# Altium PCB Hrafn.PcbDoc (part 4 of 5)
Units mm, origin at the board's own origin, x right, y up, seen from the top; angles counter-clockwise.
Board outline 85 x 94.73 mm, 8 copper layers (Top Layer, GND Top, Internal Top, PWR Top, PWR Bottom, Internal Bottom, GND Bottom, Bottom Layer), stack 1.525 mm thick; 391 components, 237 nets, 1268 pads, 1166 vias.
Unrouted connection lines stored in the file: 2.
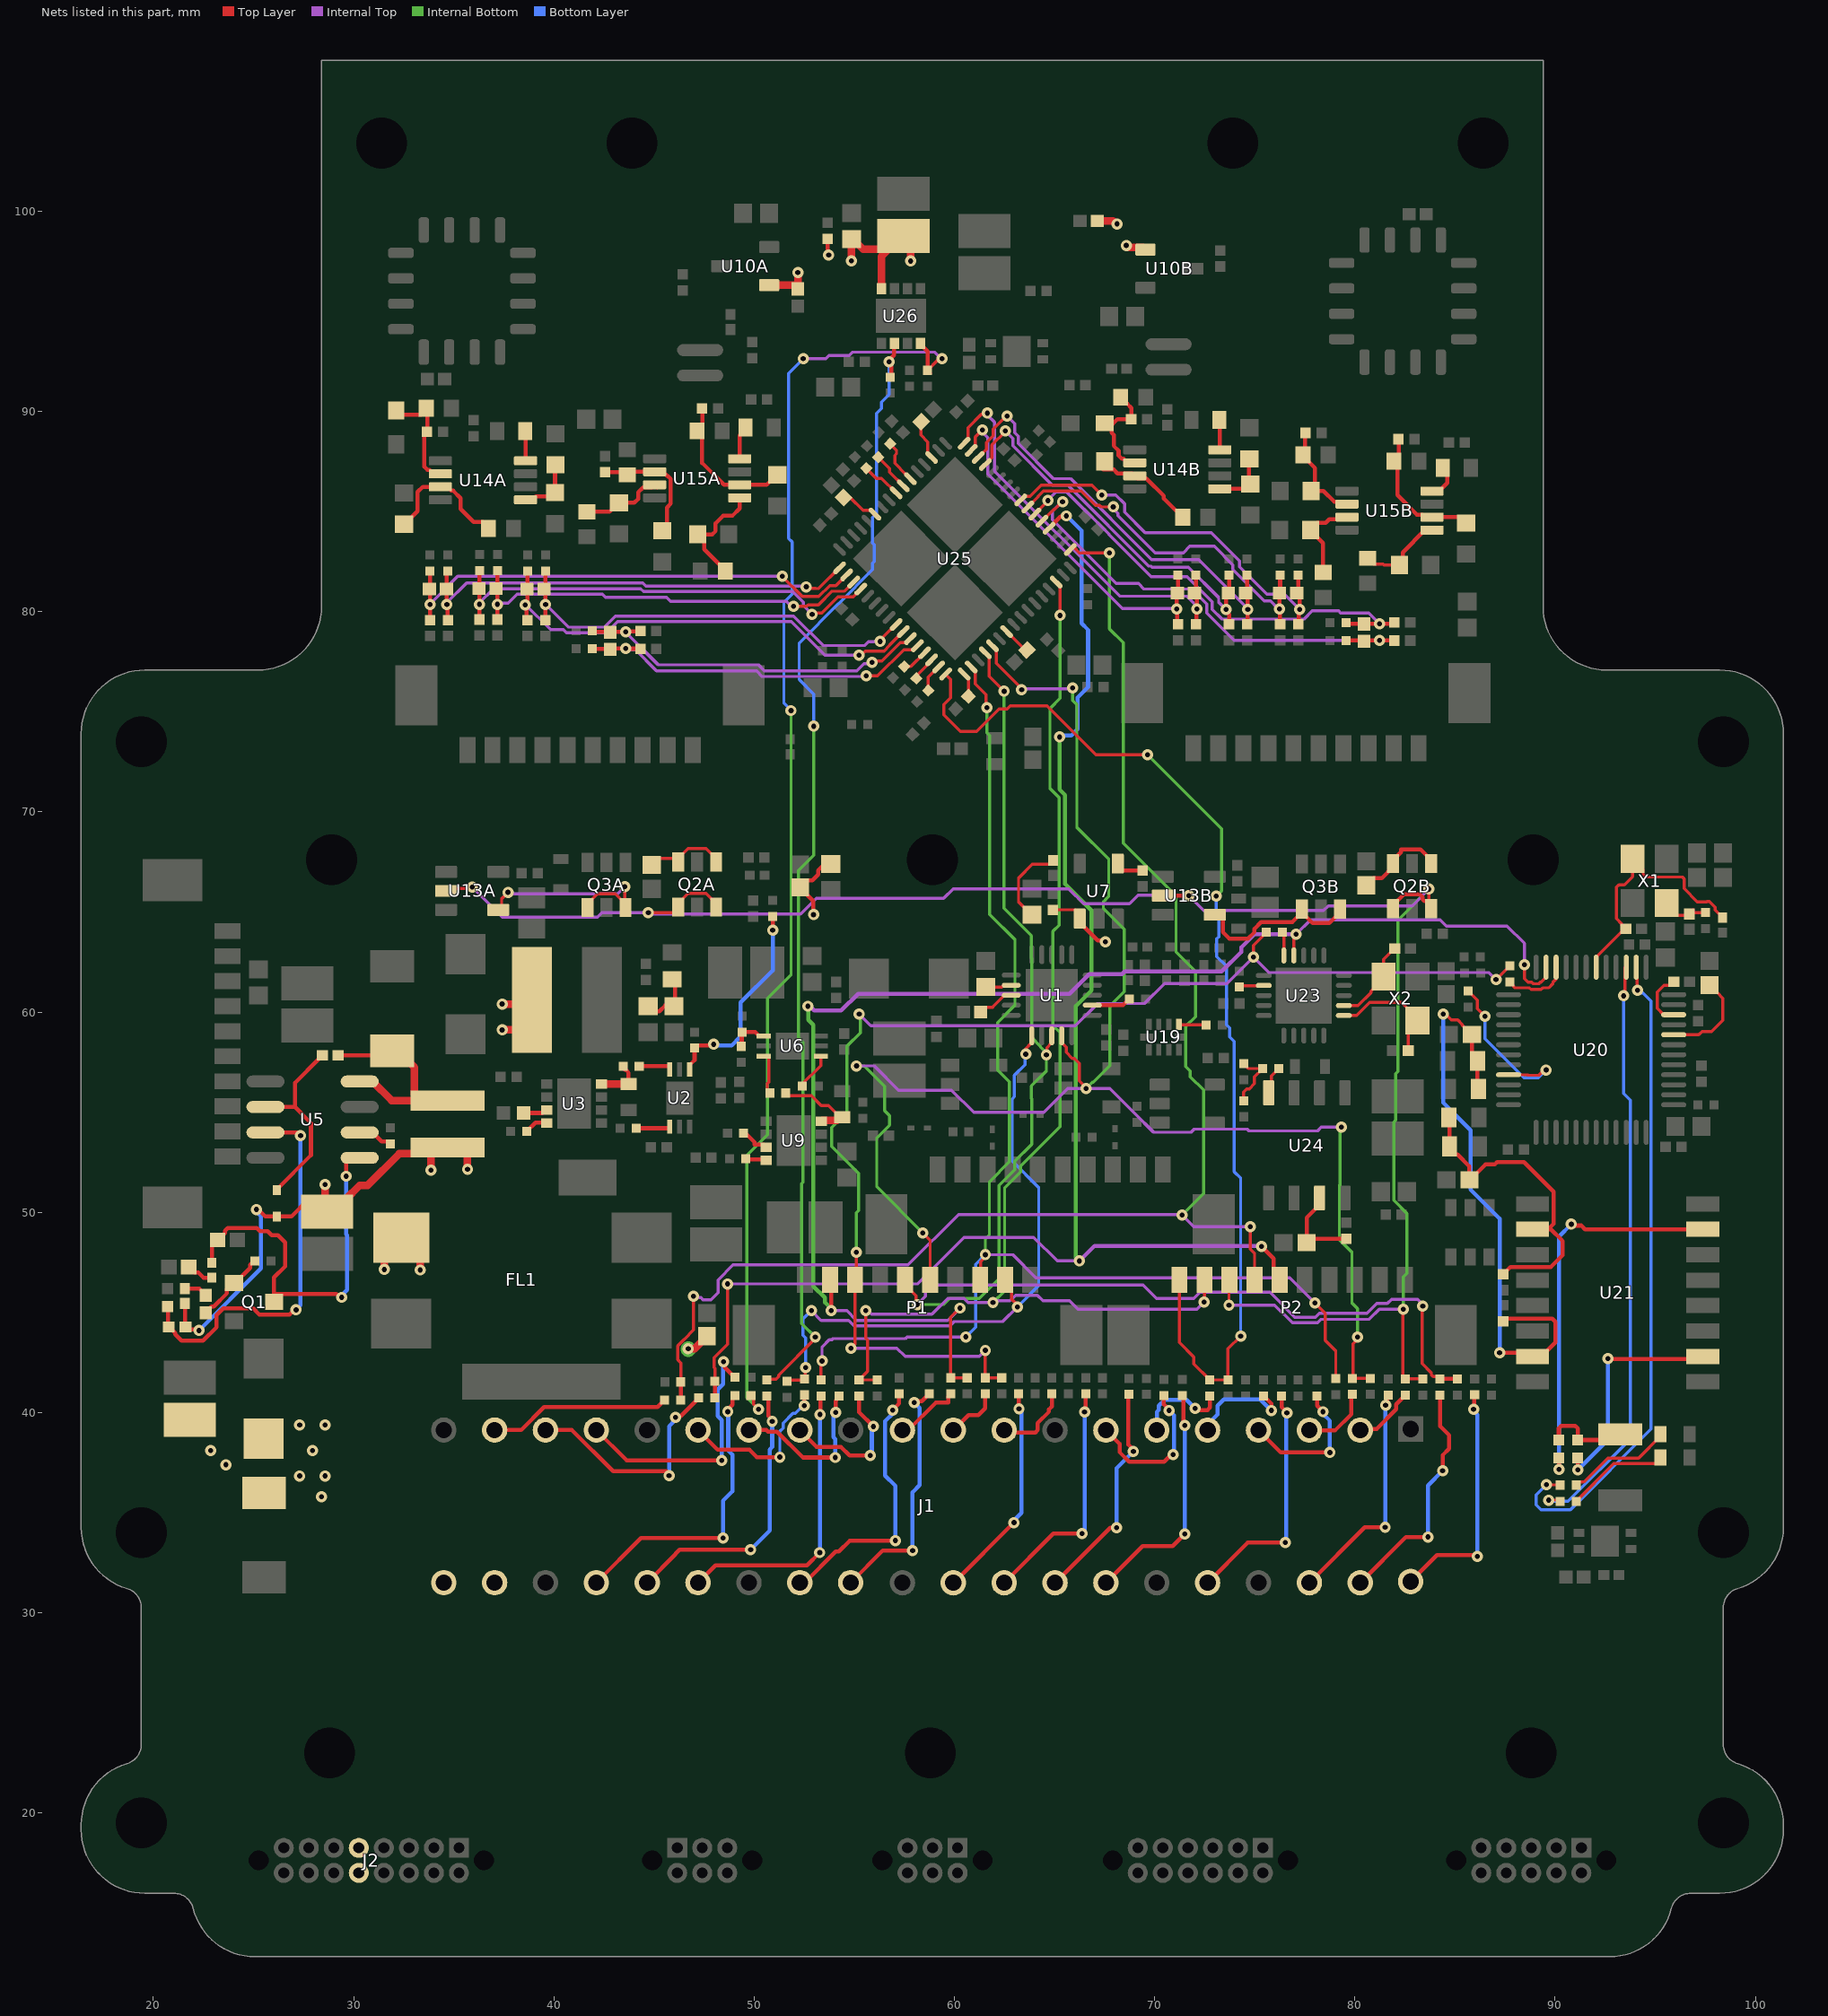
[diagram p10: the nets of this part, all layers, seen from the top]

## Via types
v1: diameter 0.559, hole 0.254, Top Layer to Bottom Layer, 1120 vias
v2: diameter 0.6, hole 0.25, Top Layer to Bottom Layer, 36 vias
v3: diameter 0.5, hole 0.2, Top Layer to Bottom Layer, 8 vias
v4: diameter 0.61, hole 0.254, Top Layer to Bottom Layer, 2 vias

## Nets (pads, with @x,y where several pads share a name; then routed paths per layer and width w, separated by ;. In a path a pad name is that pad's centre, name@x,y a point inside that pad or via, vN(x,y) a via of type N, cw(c..) or ccw(c..) an arc to the next point about the centre after c; other vN are vias at no path point) (continued)
HK_CSb: P1.9 R6.1 R38.1 U1.11 | length 32.1
  Top Layer w0.152: R38.1@51.65,41.55 51.713,41.613 52.449,41.613 52.545,41.709 52.545,42.283 v1@52.578,42.316 ; P1.9@62.537,46.627 62.861,46.303 62.861,45.66 63.15,45.371 v1(63.15,45.275) ; v1(63.562,57.897) 63.552,57.907 63.552,58.155 63.83,58.433 63.83,58.783 U1.11@63.862,58.815
  Internal Top w0.152: v1(52.86,45.085) 53.343,44.602 54.713,44.602 54.992,44.323 59.78,44.323 59.996,44.539 62.414,44.539 v1(63.15,45.275)
  Bottom Layer w0.152: v1@52.578,42.316 52.578,43.071 52.57,43.079 52.57,43.722 52.444,43.849 52.444,44.675 52.853,45.085 v1(52.86,45.085) ; v1(63.15,45.275) 64.211,46.336 64.211,51.228 62.89,52.549 62.89,55.673 62.993,55.776 62.993,56.841 63.52,57.368 63.52,57.855 v1(63.562,57.897)
  other v1: 52.578,42.24
MAG_5V: C44A.2 C44B.2 C95.2 C96.1 C97.2 U10A.1 U10B.1 U26.8 | length 12.4
  Top Layer w0.203: C95.2@53.67,98.616 53.67,97.866 v1(53.721,97.815)
  Top Layer w0.381: U10A.1@50.749,96.307 C44A.2@52.014,96.307 ; C44A.2@52.181,96.12 v1(52.181,96.936) ; v1(54.85,97.525) 54.861,97.536 54.861,98.502 55.061,98.502 55.095,98.468 55.095,98.444 55.429,98.11 56.794,98.11 C96.1@57.455,98.771 57.81,98.416 v1(57.81,97.511) ; U26.8@56.353,96.137 56.353,97.741 C96.1@56.639,98.027 ; C44B.2@67.13,99.517 67.925,99.517 68.075,99.367 v1(68.123,99.367) ; v1@68.631,98.29 68.731,98.189 69.43,98.189 U10B.1@69.539,98.08
  other v1: 68.581,98.291
MAG_ALERT: P2.1 R20.1 R39.2 U25.16 | length 54.6
  Top Layer w0.152: U25.16@59.566,76.882 59.566,76.858 59.804,76.62 59.804,75.694 59.467,75.358 59.467,74.848 60.3,74.016 61.112,74.016 62.23,75.133 62.64,75.133 62.792,75.286 64.621,75.286 67.059,72.847 v1(69.647,72.847) ; P2.1@71.237,46.627 71.237,43.492 71.958,42.77 71.958,42.426 R20.1@72.758,41.627 R39.2@73.658,41.627 73.658,43.178 v1(74.295,43.815)
  Internal Bottom w0.152: v1(69.647,72.847) 73.339,69.155 73.339,66.049 v1(73.076,65.786)
  Bottom Layer w0.152: v1(73.076,65.786) 73.076,64.78 73.203,64.653 73.203,63.757 73.101,63.656 73.101,62.772 73.584,62.289 73.584,59.363 73.736,59.211 73.736,58.754 73.964,58.525 73.964,52.023 74.295,51.692 v1(74.295,43.815)
MAG_CSb: P1.8 R7.2 R36.1 U25.18 | length 67.9
  Top Layer w0.152: R7.2@53.337,41.627 53.337,42.517 v1(53.391,42.57) ; U25.18@60.839,77.236 61.033,77.041 61.033,76.396 61.57,75.859 61.57,75.26 v1(61.62,75.209) ; P1.8@61.287,46.627 61.316,46.656 61.316,47.54 61.544,47.769 v1(61.544,47.879) ; v1(78.003,45.466) 78.525,44.945 78.525,43.598 79.045,43.078 R36.1@79.045,41.694
  Internal Top w0.152: v1(53.391,42.57) 53.391,43.282 53.746,43.637 53.895,43.637 53.946,43.688 57.556,43.688 57.633,43.764 60.554,43.764 v1(60.566,43.777) ; v1(61.544,47.879) 62.916,47.879 64.064,46.731 76.738,46.731 v1(78.003,45.466)
  Internal Bottom w0.152: v1(61.544,47.879) 61.544,48.678 61.747,48.881 61.747,51.529 62.738,52.519 62.738,56.512 62.154,57.096 62.154,59.471 63.023,60.34 63.023,63.611 61.753,64.882 61.753,73.809 61.62,73.941 v1(61.62,75.209)
  Bottom Layer w0.152: v1(60.566,43.777) 61.055,44.266 61.055,47.39 v1(61.544,47.879)
MAG_DRDYb: P2.2 R9.1 R40.1 U25.30 | length 61.7
  Top Layer w0.152: v1(55.575,45.085) 55.575,43.709 55.662,43.622 55.662,42.052 R9.1@55.237,41.627 R40.1@56.137,41.627 ; U25.30@65.081,81.478 65.276,81.284 v1(65.276,79.809) ; v1(72.466,45.517) 72.487,45.538 P2.2@72.487,46.627
  Internal Top w0.152: v1(55.575,45.085) 55.685,45.085 55.863,44.907 58.877,44.907 59.665,45.695 60.474,45.695 60.677,45.491 v1(61.925,45.491) ; v1@61.925,45.579 62.772,45.579 63.052,45.859 64.145,45.859 64.425,45.579 65.747,45.579 66.17,45.156 72.106,45.156 v1(72.466,45.517)
  Internal Bottom w0.152: v1(61.925,45.491) 62.509,46.076 62.509,51.228 63.297,52.016 63.297,52.299 65.27,54.272 65.27,58.978 64.921,59.327 64.921,64.033 65.227,64.339 65.227,70.71 64.77,71.167 64.77,75.166 65.276,75.671 v1(65.276,79.809)
MAG_ONb: R4.2 R127.2 U26.4 | length 64.8
  Top Layer w0.152: R4.2@49.837,40.852 49.969,40.72 49.969,40.398 v1(50.211,40.157) ; R127.2@58.661,92.052 59.164,92.556 59.307,92.556 v1(59.385,92.634)
  Top Layer w0.203: U26.4@58.303,93.397 58.303,93.352 58.661,92.994 R127.2@58.661,92.052
  Internal Top w0.152: v1(52.451,92.634) 53.574,92.634 53.727,92.786 54.74,92.786 54.915,92.961 58.994,92.961 59.322,92.634 v1(59.385,92.634)
  Internal Bottom w0.152: v1(50.211,40.157) 49.632,40.736 49.632,52.832 50.673,53.873 50.673,60.681 51.841,61.849 v1(51.841,75.057)
  Bottom Layer w0.152: v1(51.841,75.057) 51.841,75.064 51.486,75.42 51.486,80.464 51.892,80.87 51.892,83.482 51.714,83.66 51.714,91.897 v1(52.451,92.634)
MAG_PGOOD: R5.2 R126.1 U26.2 | length 56.9
  Top Layer w0.152: R5.2@50.637,41.627 50.674,41.664 51.095,41.664 51.222,41.79 51.222,41.859 53.053,43.69 v1(53.053,43.76)
  Top Layer w0.203: R126.1@56.794,91.713 56.861,91.779 56.861,92.264 56.742,92.383 56.742,92.575 56.98,92.813 56.98,93.375 U26.2@57.003,93.397
  Internal Bottom w0.152: v1(52.975,74.275) 52.975,67.84 52.204,67.069 52.204,58.728 52.444,58.488 52.444,51.501 52.377,51.435 52.377,44.447 53.053,43.772 v1(53.053,43.76)
  Bottom Layer w0.152: v1(52.975,74.275) 52.975,75.876 52.248,76.603 52.248,78.439 54.216,80.407 54.219,80.407 55.916,82.103 55.916,82.42 56.003,82.507 56.003,83.339 55.916,83.426 55.916,84.706 56.111,84.901 56.111,89.896 56.363,90.148 56.363,90.453 56.742,90.832 v1(56.742,92.479)
MAG_RESETb: P2.5 R2.1 R43.1 U25.36 | length 77.2
  Top Layer w0.152: R43.1@48.037,41.552 48.037,42.196 47.994,42.239 47.994,42.734 48.666,43.406 48.666,46.409 v1(48.677,46.42)
  Top Layer w0.203: R2.1@48.037,40.727 R43.1@48.037,41.552 ; U25.36@64.728,84.165 65.305,84.743 65.55,84.743 v1(65.589,84.781) ; v1(75.336,48.285) 75.939,47.683 75.939,46.925 P2.5@76.237,46.627
  Internal Top w0.152: v1(48.677,46.42) 58.155,46.42 60.477,48.743 63.957,48.743 65.133,47.567 v1(66.237,47.567)
  Internal Top w0.203: v1(66.237,47.567) 66.993,48.323 75.298,48.323 v1(75.336,48.285)
  Internal Bottom w0.203: v1(65.253,73.736) 65.253,71.116 65.532,70.837 65.532,66.393 66.851,65.074 66.851,61.079 66.067,60.295 66.067,47.737 v1(66.237,47.567)
  Bottom Layer w0.203: v1(65.253,73.736) 65.321,73.804 65.832,73.804 66.15,74.122 66.15,75.707 66.675,76.233 66.675,79.088 66.356,79.408 66.356,84.042 65.616,84.781 v1(65.589,84.781)
MAG_SR: P2.3 Q2A.1 Q2A.3 Q2B.1 Q2B.3 R26.1 R41.2 U13A.2 U13B.2 | length 98.2
  Top Layer w0.152: U13A.2@34.499,66.109 34.556,66.165 35.838,66.165 v1(35.916,66.243) ; v1(44.716,64.966) 46.096,64.966 46.201,65.071 46.201,65.421 46.704,65.925 47.598,65.925 48.101,65.421 Q2A.3@48.101,65.246 ; v1(73.711,45.364) 73.711,46.601 P2.3@73.737,46.627 ; v1(82.423,45.161) 82.398,45.136 82.398,41.802 R26.1@82.525,41.675 R41.2@83.388,41.675 ; v1(83.693,66.142) 83.693,65.281 Q2B.3@83.805,65.169
  Top Layer w0.203: U13B.2@70.429,65.812 v1(71.705,65.812) ; Q2B.1@81.905,65.169 81.905,65.344 82.433,65.873 83.249,65.873 83.383,65.739 83.383,65.625 83.466,65.542 83.606,65.542 83.805,65.344 Q2B.3@83.805,65.169
  Internal Top w0.152: v1(35.916,66.243) 37.414,64.745 42.171,64.745 42.392,64.966 v1(44.716,64.966) ; v1@44.729,64.897 52.315,64.897 53.1,65.683 59.461,65.683 59.936,66.158 65.71,66.158 66.46,65.407 68.739,65.407 69.168,65.837 71.68,65.837 72.45,65.067 78.432,65.067 78.668,65.303 82.855,65.303 v1(83.693,66.142) ; v1(73.711,45.364) 75.993,45.364 76.882,44.475 78.141,44.475 78.319,44.653 80.71,44.653 81.218,45.161 v1(82.423,45.161)
  Internal Bottom w0.152: v1(82.423,45.161) 82.423,46.766 82.601,46.944 82.601,49.94 81.94,50.6 81.94,54.499 82.042,54.601 82.042,56.925 82.144,57.026 82.144,64.592 v1(83.693,66.142)
MAG_STARTb: P2.4 R1.1 R42.1 U25.33 | length 76.6
  Top Layer w0.152: R42.1@46.337,41.527 46.337,42.475 46.177,42.635 46.177,43.329 46.511,43.663 46.518,43.663 46.972,44.116 v1(46.972,45.81) ; U25.33@65.788,83.105 65.897,83.213 65.961,83.213 66.243,82.931 v1(67.742,82.931) ; v1(74.778,49.284) 74.778,48.162 74.987,47.952 P2.4@74.987,46.627
  Top Layer w0.203: R1.1@46.327,40.627 46.332,40.632 R42.1@46.332,41.522
  Internal Top w0.152: v1(46.972,45.81) 47.05,45.732 47.344,45.732 47.441,45.635 47.841,45.635 48.195,45.988 48.195,46.62 48.946,47.371 57.683,47.371 60.203,49.89 71.374,49.89 v1(71.374,49.86) 71.95,49.284 v1(74.778,49.284)
  Internal Bottom w0.152: v1(67.742,82.931) 67.742,79.135 68.428,78.449 68.428,68.428 71.069,65.786 71.069,62.992 72.034,62.027 72.034,59.766 71.552,59.284 71.552,57.28 71.78,57.052 71.78,56.769 72.441,56.109 72.441,50.927 v1(71.374,49.86)
MISO0: P1.3 R13.1 R30.1 R103.1 R116.1 | length 63.7
  Top Layer w0.152: v1(54.839,43.205) 55.037,43.404 P1.3@55.037,46.627 55.099,46.689 v1(55.099,48.006) ; v1(61.544,43.104) 61.541,43.1 61.541,41.731 R13.1@61.537,41.727 R30.1@62.362,41.727 ; v1(74.93,62.738) 74.93,63.335 R116.1@75.578,63.983 ; v1(87.045,61.624) 87.045,61.715 87.147,61.715 R103.1@87.732,62.3
  Internal Top w0.152: v1(54.839,43.205) 57.129,43.205 57.535,42.799 61.239,42.799 v1(61.544,43.104) ; v1(55.245,59.893) 55.829,59.309 66.034,59.309 67.151,60.427 69.497,60.427 70.488,61.417 73.609,61.417 v1(74.93,62.738) 75.694,61.974 86.677,61.974 87.027,61.624 v1(87.045,61.624)
  Internal Bottom w0.152: v1(55.099,48.006) 55.099,49.969 55.22,50.09 55.22,51.943 53.876,53.287 53.876,54.231 54.628,54.983 54.628,58.298 55.296,58.966 55.296,59.842 v1(55.245,59.893)
MISO1: P1.6 R24.1 R33.1 U1.14 U25.21 | length 84.4
  Top Layer w0.152: v1(58.42,48.971) 58.787,48.604 P1.6@58.787,46.627 ; U25.21@61.899,78.296 62.094,78.102 62.094,77.429 63.357,76.165 v1(63.357,76.106) ; U1.14@65.362,58.815 65.394,58.783 65.394,58.433 65.583,58.244 65.583,57.996 65.89,57.688 65.984,57.688 66.241,57.432 66.241,56.559 66.575,56.224 v1(66.575,56.175) ; v1(80.137,43.764) 80.137,43.654 79.908,43.426 79.908,41.726 R24.1@79.883,41.7 R33.1@80.772,41.7
  Internal Top w0.152: v1(55.11,57.31) 55.99,57.31 57.204,56.096 59.858,56.096 60.963,54.991 64.476,54.991 65.66,56.175 v1(66.575,56.175) 67.755,56.175 68.985,54.945 68.995,54.945 69.946,53.994 71.811,53.994 71.969,54.153 74.622,54.153 74.712,54.062 78.13,54.062 78.322,54.254 v1(79.324,54.254) ; v1(63.357,76.106) 63.392,76.14 65.864,76.14 v1(65.906,76.182)
  Internal Bottom w0.152: v1(55.11,57.31) 55.127,57.294 55.507,57.294 56.515,56.286 56.515,55.071 56.762,54.824 56.762,54.352 56.124,53.714 56.124,51.267 v1(58.42,48.971) ; v1(65.906,76.182) 65.906,75.566 66.116,75.356 66.116,69.216 67.708,67.625 67.708,65.792 67.539,65.623 67.539,65.597 67.435,65.494 67.435,65.189 68.482,64.143 68.482,61.014 67.767,60.3 67.767,57.331 66.926,56.49 66.89,56.49 v1(66.575,56.175) ; v1(79.324,54.254) 79.248,54.178 79.248,51.364 79.223,51.338 79.223,48.634 79.85,48.006 79.85,45.477 80.137,45.19 v1(80.137,43.764)
MOSI0: P1.2 R12.1 R29.1 U20.35 U23.14 | length 71.7
  Top Layer w0.152: v1(60.274,45.212) 59.812,44.749 R12.1@59.812,41.727 R29.1@60.637,41.727 ; U23.14@76.947,62.827 76.947,63.764 v1(77.064,63.881) ; v1(88.463,62.357) 88.463,61.67 88.646,61.488 88.834,61.488 88.91,61.412 89.182,61.412 89.257,61.488 89.293,61.488 89.514,61.708 89.514,62.263 U20.35@89.527,62.277
  Top Layer w0.203: P1.2@53.787,46.627 53.848,46.566 v1(53.848,45.085)
  Internal Top w0.152: v1(53.848,45.085) 54.625,45.085 55.108,44.602 59.665,44.602 v1(60.274,45.212) ; v1(77.064,63.881) 77.789,64.607 84.26,64.607 84.573,64.294 87.599,64.294 88.463,63.429 v1(88.463,62.357)
  Internal Top w0.203: v1(52.687,60.292) 52.783,60.292 53.004,60.071 54.349,60.071 55.189,60.911 65.749,60.911 66.73,61.893 68.366,61.893 68.5,62.027 73.347,62.027 74.32,63 74.32,63.228 74.974,63.881 v1(77.064,63.881)
  Internal Bottom w0.203: v1(52.687,60.292) 52.713,60.266 52.713,59.606 52.959,59.36 52.959,46.304 53.528,45.735 53.528,45.501 53.848,45.181 v1(53.848,45.085)
MOSI1: P1.5 R27.2 R32.1 U1.13 U25.20 | length 73
  Top Layer w0.152: P1.5@57.537,46.627 57.537,46.377 58.076,45.838 58.076,45.454 v1(58.141,45.39) ; U25.20@61.546,77.943 61.74,77.748 61.74,76.766 v1(62.484,76.022) ; v1(64.592,57.861) 64.621,57.889 64.621,58.224 64.83,58.433 64.83,58.783 U1.13@64.862,58.815 ; v1(83.388,45.314) 83.363,45.288 83.363,42.438 83.816,41.984 83.816,41.887 83.906,41.797 84.129,41.797 R27.2@84.252,41.675
  Top Layer w0.203: R27.2@84.252,41.675 R32.1@85.115,41.675
  Internal Top w0.152: v1(58.141,45.39) 58.55,45.8 58.55,46.08 58.839,46.37 69.418,46.37 70.093,45.695 71.962,45.695 72.266,45.999 75.754,45.999 76.998,44.755 78.025,44.755 78.22,44.949 80.611,44.949 81.102,45.441 81.621,45.441 81.824,45.644 83.134,45.644 83.388,45.39 v1(83.388,45.314)
  Internal Bottom w0.152: v1(58.141,45.39) 59.448,45.39 59.752,45.695 61.239,45.695 62.23,46.685 62.23,51.344 63.017,52.132 63.017,52.553 63.856,53.391 63.856,55.673 63.849,55.68 63.849,56.305 64.592,57.048 v1(64.592,57.861) 64.592,57.97 64.299,58.264 64.299,58.285 63.859,58.725 63.859,62.688 63.846,62.701 63.846,63.811 62.474,65.184 62.474,76.012 v1(62.484,76.022)
NetC2_1: C2.1 D1.1 D2.1 FL1.1 J2.9 J2.10 | length 5.8
  Top Layer w0.381: D2.1@24.906,36.605 D2.1@25.525,35.985 D2.1@25.476,36.034 ; D1.1@25.186,38.375 D1.1@25.502,38.691 D1.1@25.476,38.665 ; FL1.1@31.475,47.98 31.525,47.93 v1@31.525,47.219 ; FL1.1@32.379,48.734 31.55,47.905 33.095,47.905 33.325,47.675 v1(33.325,47.117)
  other v1: 28.397,35.789 27.305,36.83 28.575,36.83 23.622,37.389 22.86,38.1 27.94,38.1 27.305,39.37 28.575,39.37 31.525,47.142
NetC7_2: C7.2 U1.7 | length 1.3
  Top Layer w0.152: C7.2@61.57,61.25 62.371,61.25 62.461,61.34 U1.7@62.837,61.34
NetC8_1: C8.1 U1.8 | length 1.9
  Top Layer w0.152: C8.1@61.314,59.995 61.548,60.229 61.912,60.229 61.912,60.264 62.487,60.84 U1.8@62.837,60.84
NetC16_1: C16.1 R64.2 | length 4.2
  Top Layer w0.152: C16.1@63.881,64.857 63.856,64.857 63.203,65.51 63.203,66.691 63.888,67.376 64.751,67.376 64.925,67.55 R64.2@64.925,67.575
NetC24_1: C24.1 D5.1 L1.0 U5.8 | length 11.8
  Top Layer w0.203: C24.1@29.219,57.836 31.696,57.836 D5.1@31.925,58.065 D5.1@31.217,58.773
  Top Layer w0.381: U5.8@30.3,56.53 30.95,56.53 31.898,55.582 L1.0@33.346,55.582 ; D5.1@31.925,58.065 32.205,58.065 33.037,57.233 33.037,55.891 L1.0@33.346,55.582 ; L1.0@34.696,55.582 L1.0@33.346,55.582
NetC24_2: C24.2 D4.1 U5.2 | length 9.8
  Top Layer w0.203: U5.2@25.6,55.26 27.065,55.26 ; D4.1@26.162,51.144 27.868,52.85 27.868,54.457 27.065,55.26 ; C24.2@28.439,57.836 28.419,57.836 28.261,57.677 28.261,57.657 27.065,56.462 27.065,55.26
NetC25_1: C25.1 D4.2 L1.1 L2.1 R70.2 R78.1 | length 29.4
  Top Layer w0.203: R78.1@21.57,45.442 21.592,45.42 21.592,44.29 21.73,44.152 22.216,44.152 v1(22.275,44.094) ; v1(25.146,50.14) 25.242,50.14 25.597,49.784 26.889,49.784 27.751,50.646 C25.1@28.027,50.646
  Top Layer w0.381: C25.1@28.027,50.646 28.652,50.022 C25.1@28.677,50.022 ; v1(28.575,51.384) 28.575,50.123 C25.1@28.677,50.022 ; L1.1@33.803,52.925 32.275,52.925 30.7,51.35 30.306,51.35 29.602,50.646 28.931,50.646 28.931,50.276 C25.1@28.677,50.022 ; v1(33.858,52.095) 33.858,52.922 34.168,53.232 L1.1@34.696,53.232 35.378,53.232 35.687,52.922 v1(35.687,52.146) ; v1(37.414,59.106) 38.091,59.106 38.9,59.915 L2.1@38.9,60.605 38.696,60.401 v1(37.414,60.401)
  Bottom Layer w0.203: v1(22.275,44.094) 25.375,47.194 25.375,49.815 25.146,50.043 v1(25.146,50.14)
NetC26_2: C26.2 C27.2 FB3.2 U7.1 | length 7.3
  Top Layer w0.152: C27.2@64.925,65.11 66.013,65.11 66.258,64.865 U7.1@66.258,64.665
  Top Layer w0.203: v1(52.965,64.865) 52.949,64.882 52.949,65.551 52.3,66.2 52.3,66.248 52.628,66.575 52.9,66.575 53.2,66.875 53.2,67.078 53.623,67.501 C26.2@53.823,67.501 ; U7.1@66.258,64.665 66.258,64.465 67.155,63.568 67.471,63.568 v1(67.539,63.5)
NetC31_2: C31.2 U7.4 | length 1.5
  Top Layer w0.203: U7.4@68.158,67.415 68.158,67.263 68.357,67.065 68.357,67.075 C31.2@69.393,67.075
NetC34_2: C34.2 Q1.3 R71.2 U5.5 | length 19.5
  Top Layer w0.203: R71.2@22.919,47.503 22.919,48.348 23.19,48.619 23.23,48.619 23.581,48.97 23.581,49.073 23.715,49.207 25.168,49.207 25.328,49.048 25.704,49.048 25.901,48.85 26.218,48.85 26.575,48.494 26.575,47.295 26.025,46.745 26.025,45.925 ; Q1.3@26.05,45.519 26.05,45.925 29.143,45.925 29.318,45.75 v1(29.4,45.75) ; v1(29.625,51.8) 29.625,52.537 29.808,52.72 U5.5@30.3,52.72
  Bottom Layer w0.203: v1(29.4,45.75) 29.4,45.846 29.667,46.113 29.667,48.853 29.625,48.896 v1(29.625,51.8)
NetC35_2: C35.2 R71.1 | length 1.4
  Top Layer w0.203: C35.2@21.755,47.265 22.023,46.997 22.244,46.997 22.508,46.733 22.914,46.733 R71.1@22.919,46.728
NetC36_1: C36.1 Q1.1 R79.2 | length 3.7
  Top Layer w0.203: C36.1@22.611,44.971 22.611,44.991 22.913,45.292 23.016,45.292 23.676,45.953 23.676,46.17 23.975,46.469 24.025,46.469 24.075,46.469 24.826,47.22 24.826,47.37 25.025,47.569 R79.2@25.05,47.569
NetC36_2: C36.2 R78.2 | length 1.2
  Top Layer w0.203: R78.2@21.57,46.192 22.29,46.192 22.611,45.871 C36.2@22.611,45.851
NetC45A_1: C45A.1 Q2A.4 Q2A.6 | length 3.9
  Top Layer w0.152: C45A.1@44.882,67.376 45.181,67.675 46.198,67.675 46.201,67.671 46.704,68.175 47.598,68.175 48.101,67.671 Q2A.4@48.101,67.496
NetC45B_1: C45B.1 Q2B.4 Q2B.6 | length 4.7
  Top Layer w0.203: C45B.1@80.569,66.328 80.92,66.679 81.34,66.679 81.905,67.244 81.905,67.594 82.306,67.996 82.306,68.123 83.276,68.123 83.805,67.594 Q2B.4@83.805,67.419
NetC48A_1: C48A.1 R86A.1 R90A.2 U14A.2 | length 5.7
  Top Layer w0.203: R90A.2@32.131,90.055 32.349,89.836 33.358,89.836 33.631,90.11 R86A.1@33.631,90.16 33.677,90.114 33.677,88.981 33.528,88.831 33.528,87.244 33.691,87.081 33.785,87.081 33.981,86.885 U14A.2@34.331,86.885
NetC48B_1: C48B.1 R86B.1 R90B.2 U14B.2 | length 5.5
  Top Layer w0.203: R90B.2@67.5,89.408 67.55,89.408 67.742,89.215 67.848,89.11 67.848,88.94 67.956,88.832 67.956,88.28 68.2,88.036 68.2,87.792 68.363,87.629 68.457,87.629 68.653,87.433 U14B.2@69.003,87.433 ; R90B.2@67.717,89.19 68.135,89.608 68.838,89.608 68.838,90.173 68.626,90.384 68.577,90.384 68.303,90.658 R86B.1@68.303,90.708
NetC49A_1: C49A.1 R87A.1 R91A.2 U15A.6 | length 7.3
  Top Layer w0.203: C49A.1@47.413,90.145 47.413,89.287 R87A.1@47.152,89.027 47.405,88.775 47.405,87.423 48.493,86.335 49.631,86.335 50.632,86.335 51.129,86.832 R91A.2@51.156,86.832
NetC49B_1: C49B.1 R87B.1 R91B.2 U15B.6 | length 7
  Top Layer w0.203: C49B.1@82.182,88.615 82.182,87.75 R87B.1@81.947,87.515 82.118,87.344 82.118,85.819 83.09,84.847 83.378,84.847 83.502,84.724 85.253,84.724 R91B.2@85.552,84.426
NetC50A_1: C50A.1 R88A.1 R92A.2 U15A.2 | length 6.3
  Top Layer w0.203: C50A.1@42.556,86.97 43.521,86.97 R88A.1@43.656,86.835 43.806,86.985 45.381,86.985 45.505,86.861 45.574,86.861 45.647,86.788 45.672,86.788 45.835,86.625 45.835,85.394 45.643,85.202 45.643,84.265 R92A.2@45.415,84.038
NetC50B_1: C50B.1 R88B.1 R92B.2 U15B.2 | length 5.3
  Top Layer w0.203: C50B.1@77.543,88.926 77.518,88.901 77.518,87.936 R88B.1@77.408,87.826 77.408,87.776 78.012,87.173 78.012,86.226 R92B.2@77.815,86.03 78.43,86.03 78.963,85.497 79.478,85.497 U15B.2@79.602,85.374
NetC61_2: C61.2 R143.1 U20.30 X1.1 | length 13
  Top Layer w0.152: U20.30@92.046,62.24 92.077,62.272 92.077,62.772 93.282,63.977 93.335,63.977 93.516,64.158 93.516,64.211 93.469,64.211 93.335,64.344 93.335,64.392 93.063,64.664 93.063,66.232 93.182,66.351 93.453,66.351 93.867,66.765 X1.1@93.867,67.648 94.39,67.124 94.39,66.88 94.526,66.745 96.347,66.745 96.436,66.656 96.436,66.167 97.1,65.503 97.558,65.503 97.572,65.517 97.698,65.517 97.734,65.481 97.984,65.23 97.984,65.103 98.349,64.738 R143.1@98.349,64.713